# KiCad board main-board.kicad_pcb (continued)
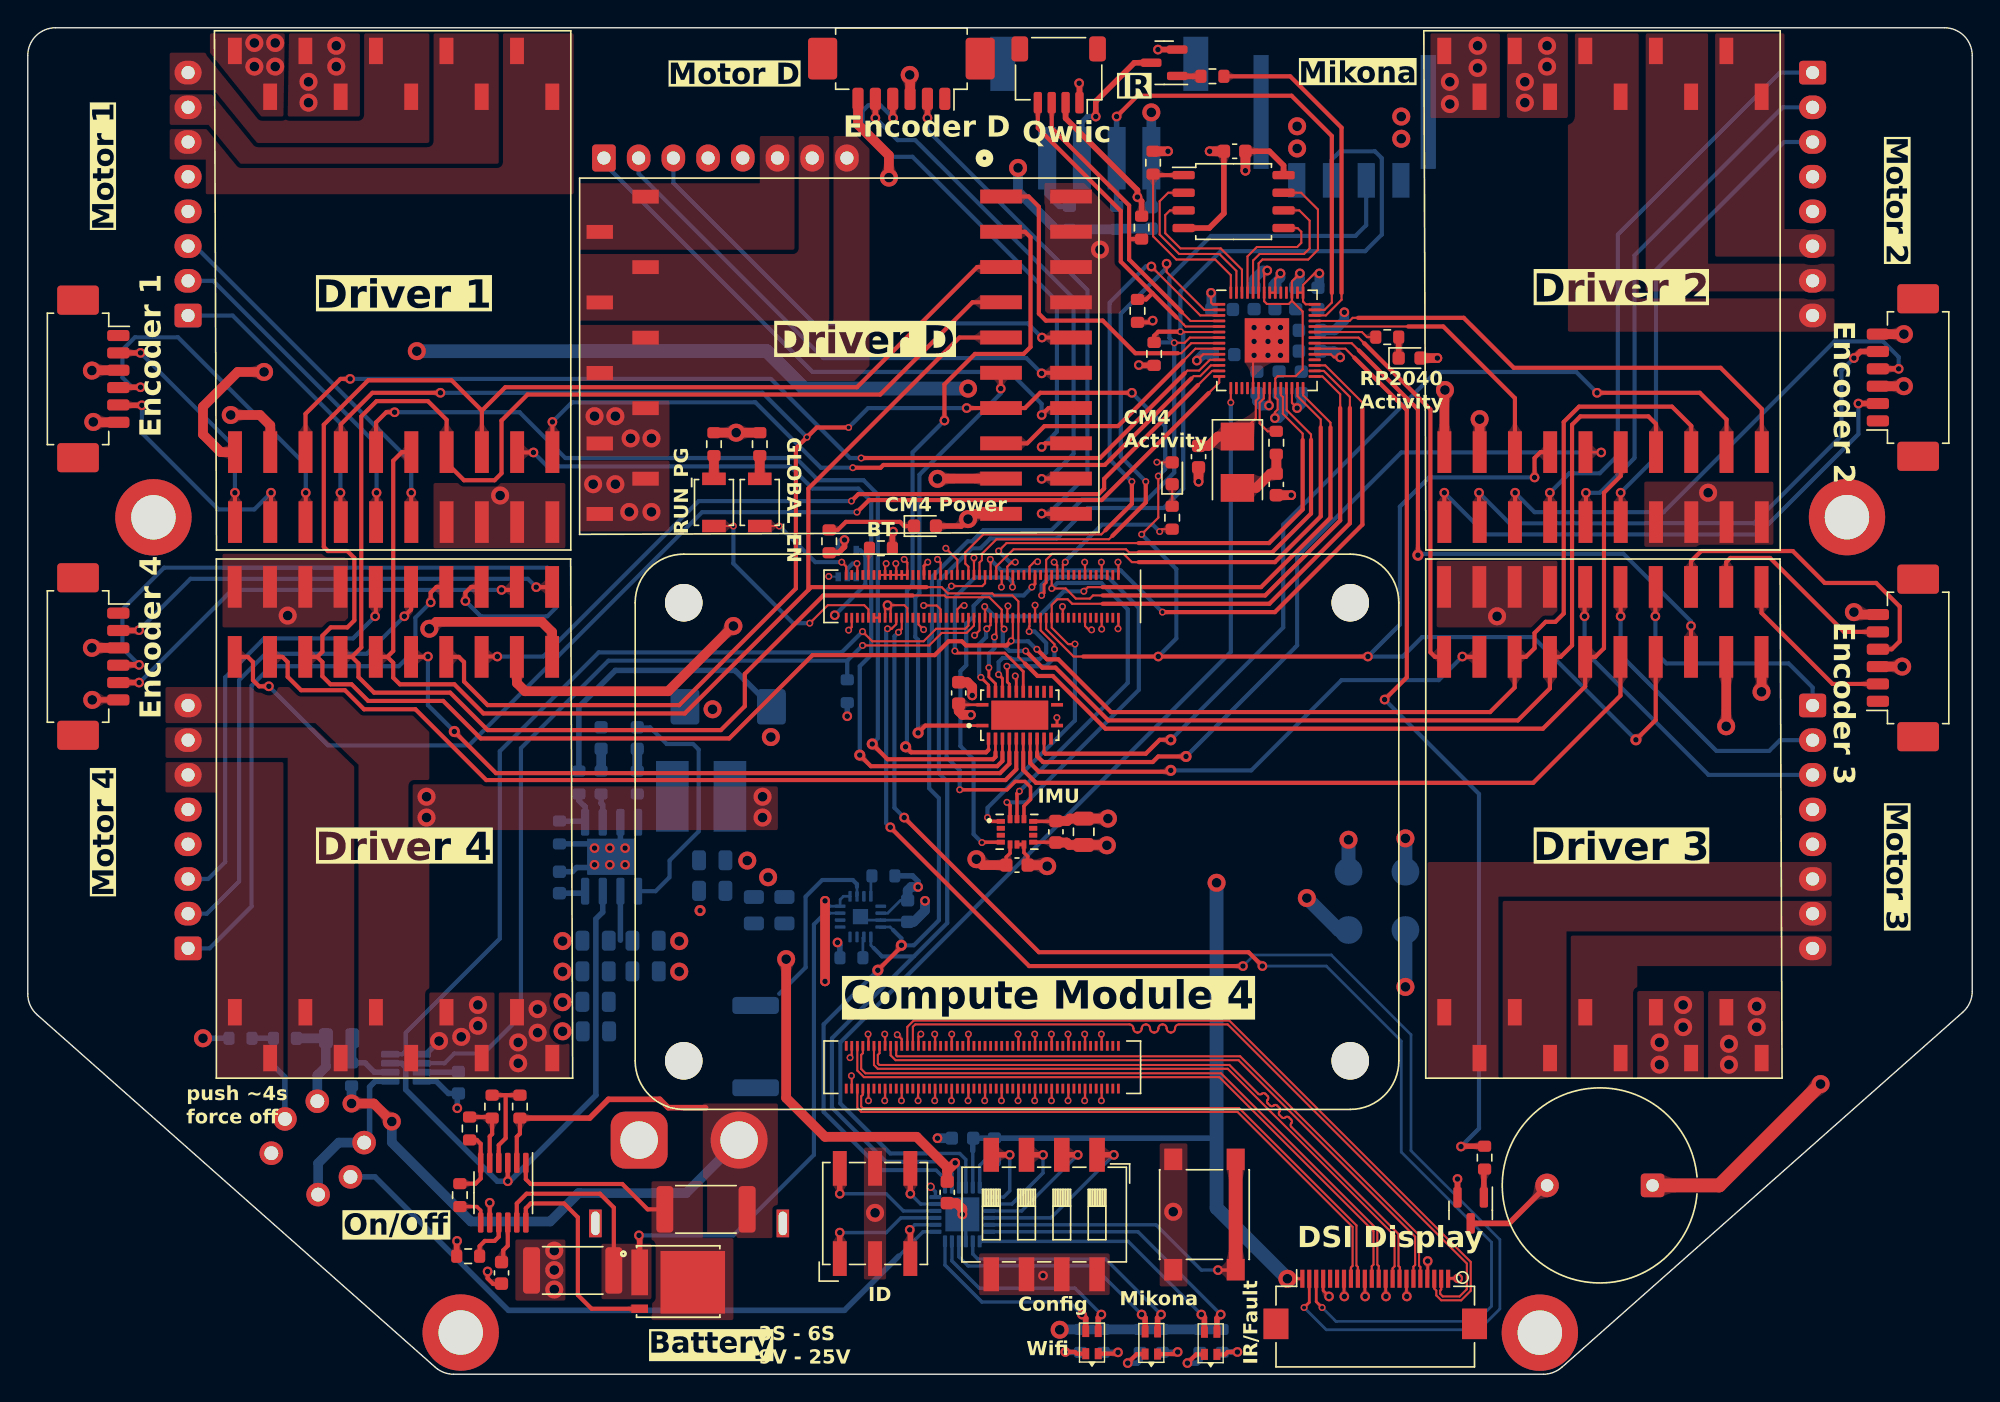
[diagram p0: board, top side]
## Routing (per net, layer and track width the routed paths; a pad name or vN(x,y) marks a point on that pad's centre or on a via; arc(x,y) is an arc through that point) (continued)
/Compute Module/SPI0_MUX_A3: length 8.9
  Top w0.15: v2(73.94,52.22) 73.94,52.59 72.94,53.59 Module201.30
  Top w0.2: U201.20 70.69,49.72 70.54,49.87 70.54,50.98 v2(70.52,51)
  Bottom w0.3: v2(73.94,52.22) 73.94,51.63 73.32,51 v2(70.52,51)
/Compute Module/~{Activity_LED}: length 10.1
  Top w0.15: Module201.21 74.54,58.33 v2(74.72,58.5) ; v2(81.52,60.7) 81.69,60.88 R206.2
  Bottom w0.3: v2(74.72,58.5) 74.72,58.56 77.36,61.2 81.02,61.2 v2(81.52,60.7)
/Compute Module/~{PWR_LED}: length 2.3
  Top w0.15: Module201.95 59.74,58.38 v2(59.72,58.4)
  Bottom w0.3: U202.2 59.02,58.02 59.41,58.4 v2(59.72,58.4)
/IMU_INT: length 25.2
  Top w0.2: v2(72.32,56.7) 72.54,56.93 Module201.31
  Top w0.25: v2(68.72,38.3) 68.74,38.33 U601.4
  Bottom w0.3: v2(68.72,38.3) 68.12,38.9 68.12,44.3 67.17,45.25 67.17,50.65 67.59,51.07 67.59,54.07 68.12,54.6 68.12,55.35 68.87,56.1 71.72,56.1 v2(72.32,56.7)
/IR_ADC: length 37.3
  Top w0.15: U501.41 93.39,76.68 93.92,77.2 93.92,77.9
  Top w0.3: v1(78.42,90.6) 79.92,92.1 91.02,92.1 93.92,89.2 93.92,77.9
  Bottom w0.4: R602.2 J602.3 v1(78.42,90.6)
/IR_PWM: length 24.8
  Top w0.15: 94.62,77.9 94.62,77.41 93.49,76.28 U501.40
  Top w0.3: R603.1 90.92,93.5 94.62,89.8 94.62,77.9
/LED_POWER_LOW: length 48.5
  Bottom w0.25: 62.72,8.5 64.48,10.26 U502.13
  Bottom w0.4: SW301.L1 25.01,14.22 34.62,4.6 58.82,4.6 62.72,8.5
/M1_C_S: length 74.9
  Top w0.15: U501.11 85.14,73.08 84.36,72.3 83.52,72.3 83.32,72.1
  Top w0.3: v2(60.02,66) 77.22,66 83.32,72.1 ; v1(23.22,71.7) 22.52,71.7 20,69.19 U1.5
  Bottom w0.3: v1(23.22,71.7) 53.52,71.7 59.22,66 v2(60.02,66)
/M1_D_F: length 55.8
  Top w0.15: U501.12 85.21,72.68 84.44,71.9 83.97,71.9 83.79,71.73
  Top w0.3: 83.79,71.73 77.57,65.5 61.62,65.5 61.42,65.3 v2(59.42,65.3) ; v1(37.78,68.6) U1.19
  Bottom w0.3: v1(37.78,68.6) 39.2,70.02 52.4,70.02 57.12,65.3 v2(59.42,65.3)
/M2_C_S: length 20.4
  Top w0.15: U501.38 99.42,75.48
  Top w0.3: 99.42,75.48 101.94,75.48 107.1,70.32 U2.5
/M2_D_F: length 38.1
  Top w0.15: 95.82,76.1 95.42,76.1 95.19,75.88 U501.39
  Top w0.3: U2.19 124.88,69.54 121.92,72.5 107.02,72.5 103.42,76.1 95.82,76.1
/M3_C_S: length 44.2
  Top w0.15: 95.87,73.75 95.34,74.28 U501.35
  Top w0.3: v4(100.12,59) 100.12,69.5 95.87,73.75 ; v1(119.78,53.9) U3.5
  Bottom w0.3: v1(119.78,53.9) 119.78,54.24 114.92,59.1 100.22,59.1 v4(100.12,59)
/M3_D_F: length 29.1
  Top w0.15: 96.27,74.25 95.84,74.68 U501.36
  Top w0.3: U3.19 101.34,51.68 101.02,52 101.02,69.5 96.27,74.25
/M4_C_S: length 62
  Top w0.15: U501.13 85.3,72.28 84.27,71.25
  Top w0.3: v1(33.82,51.7) 32.71,51.7 ; v2(59.32,62.9) 59.82,63.4 77.12,63.4 77.52,63.8 77.52,64.5 84.27,71.25
  Bottom w0.3: v2(59.32,62.9) 48.32,62.9 37.12,51.7 v1(33.82,51.7)
/M4_D_F: length 85.6
  Top w0.15: 85.04,70.68 85.81,71.44 U501.14
  Top w0.3: U4.19 15.84,51.68 16.22,51.3 16.22,50 16.66,49.56 v1(17.36,49.56) ; 85.04,70.68 77.34,62.98 60.59,62.98 v2(59.72,62.1)
  Bottom w0.3: v2(59.72,62.1) 48.57,62.1 31.77,45.3 21.62,45.3 v1(17.36,49.56)
/M_EN: length 206.3
  Top w0.15: v2(80.22,60.5) 81.42,61.7 v2(81.42,64.7) ; Module201.28 73.34,53.68 75.32,51.7 76.02,51.7
  Top w0.3: v1(108.52,64.6) 108.52,66 108.94,66.43 U2.7 ; v2(59.12,68.2) 56.82,68.2 v2(56.12,67.5) 55.32,66.7 55.32,56.6 46.92,48.2 33.12,48.2 31.42,49.9 31.42,51.3 31.04,51.68 U4.7 ; v1(29.72,70.7) 24.82,70.7 22.54,68.43 U1.7 ; v4(115.82,45.7) 117.24,47.13 U3.7 ; v1(67.62,69.6) 71.82,69.6 72.92,70.7 v1(79.52,70.7) ; 76.02,51.7 v1(96.52,51.7)
  Bottom w0.3: v2(59.12,68.2) 60.52,69.6 v1(67.62,69.6) ; v2(81.42,64.7) 81.92,65.2 81.92,68.3 v1(79.52,70.7) ; v1(81.42,51.7) 82.72,53 82.72,58 v2(80.22,60.5) ; v4(115.82,45.7) 108.42,53.1 100.42,53.1 99.02,51.7 v1(96.52,51.7) 98.82,54 98.82,62.5 100.92,64.6 v1(108.52,64.6) ; v2(56.12,67.5) 52.92,70.7 v1(29.72,70.7)
/M_SPI_MISO: length 210
  Top w0.15: v2(70.82,52.83) 70.94,52.95 Module201.40
  Top w0.3: v2(72.68,52.23) 73.4,51.5 74.22,51.5 78.02,47.7 105.32,47.7 107.08,49.47 U3.15 107.89,51.68 108.52,52.3 108.52,53.4 109.32,54.2 110.02,54.2 110.62,54.8 110.62,68.6 111.72,69.7 118.42,69.7 119.8,68.32 U2.15 ; U5.15 68.38,79.76 59.72,71.1 34.39,71.1 32.7,69.42 ; v2(70.82,52.83) 70.5,52.5 67.57,52.5 67.27,52.8 66.32,52.8 65.32,51.8 56.52,51.8 50.52,45.8 32.62,45.8 29.92,48.5 24.52,48.5 23.32,49.7 21.8,49.7 21.22,50.28 21.22,51.3 20.84,51.68 ; 32.7,69.42 30.52,71.6 24.52,71.6 21.32,68.4 21.32,59.6 21.62,59.3 23.02,59.3 23.52,58.8 23.52,54.3 23.02,53.8 21.82,53.8 21.22,53.2 21.22,52.05 20.84,51.68 ; 32.7,69.42 U1.15 ; 20.84,51.68 U4.15
  Bottom w0.3: v2(70.82,52.83) 70.84,52.8 72.05,52.8 72.63,52.23 v2(72.68,52.23)
/M_SPI_MOSI: length 205.2
  Top w0.15: 63.72,56.1 66.03,56.1 66.15,55.98 69.25,55.98 70.14,55.08 Module201.44 70.14,53.85 v2(70.32,53.68)
  Top w0.3: v2(71.87,52.1) 73.07,50.9 74.02,50.9 77.82,47.1 107.32,47.1 109.62,49.41 U3.13 110.39,51.68 111.22,52.5 111.22,68.4 111.82,69 116.72,69 117.26,68.46 U2.13 ; U5.13 68.04,77.22 61.39,70.58 35.99,70.58 34.12,68.7 34.12,64.9 33.62,64.4 31.42,64.4 30.16,65.66 ; 23.34,51.68 23.82,51.2 23.82,50.22 24.94,49.1 30.42,49.1 33.12,46.4 49.92,46.4 51.64,48.13 51.64,50.45 57.3,56.1 63.72,56.1 ; 23.34,51.68 24.02,52.35 24.02,69 25.12,70.1 28.82,70.1 30.16,68.76 U1.13 ; 23.34,51.68 U4.13
  Bottom w0.3: v2(71.87,52.1) 70.7,52.1 70.22,52.58 70.22,53.58 v2(70.32,53.68)
/M_SPI_SCK: length 160.9
  Top w0.15: 71.82,51.2 71.34,51.68 Module201.38 71.34,55.68 70.92,56.1 69.61,56.1 69.46,56.25 66.27,56.25 65.82,56.7 64.72,56.7
  Top w0.3: 25.89,51.68 26.32,51.25 26.32,50.18 26.8,49.7 30.72,49.7 32.82,47.6 47.32,47.6 56.22,56.5 ; 25.89,51.68 26.32,52.1 26.32,65.8 26.94,66.43 U1.11 ; 25.89,51.68 U4.11 ; 56.22,56.5 56.22,63.8 67.1,74.68 U5.11 ; 56.22,56.5 56.42,56.7 64.72,56.7 ; U2.11 114.72,64.71 113.52,63.5 113.52,52.3 112.89,51.68 U3.11 112.16,49.55 109.12,46.5 77.62,46.5 73.82,50.3 72.72,50.3 71.82,51.2
/MD_C_S: length 18.5
  Top w0.15: 83.22,73 84.09,73.88 U501.9
  Top w0.3: 83.22,73 78.52,68.3 73.22,68.3 71.98,67.06 U5.5
/MD_D_F: length 25.2
  Top w0.15: 82.82,73.55 83.07,73.55 83.79,74.28 U501.8
  Top w0.3: 82.82,73.55 79.77,73.55 77.42,75.9 73.32,75.9 72.82,76.4 72.82,84.1 72.08,84.84 U5.19
/Micro/BUTTON: length 27
  Top w0.25: v1(85.72,7.5) 86.97,7.5
  Top w1: SW503.1 SW503.1
  Bottom w0.25: v1(85.72,7.5) 84.52,7.5 81.26,10.76 U502.5
/Micro/BUZZER: length 67.2
  Top w0.15: U501.34 94.89,73.88 95.54,73.23
  Top w0.3: v1(97.72,48.6) 99.32,50.2 99.32,69.45 95.54,73.23
  Top w0.4: v1(103.22,16.4) 103.24,16.43 R501.1
  Bottom w0.3: v1(103.22,16.4) 104.52,17.7 104.52,41.8 v1(97.72,48.6)
/Micro/DIP_0: length 12.2
  Top w0.4: v1(78.22,15.8) 78.21,15.81 76.91,15.81
  Bottom w0.25: U502.4 73.68,11.26 v1(78.22,15.8)
/Micro/DIP_1: length 9.3
  Top w0.4: v1(75.62,15.8) 75.61,15.81 74.38,15.81
  Bottom w0.25: v1(75.62,15.8) 71.58,11.76 U502.3
/Micro/DIP_2: length 7.3
  Top w0.4: v1(73.12,15.8) 73.11,15.81 SW502.3
  Bottom w0.25: v1(73.12,15.8) 73.12,14.5 70.88,12.26 U502.2
/Micro/DIP_3: length 5.6
  Top w0.4: v1(70.72,15.8) 69.4,15.8
  Bottom w0.25: U502.1 70.28,12.76 70.72,13.2 v1(70.72,15.8)
/Micro/ID_BIT_0: length 9.2
  Top w0.4: v1(58.48,10.2) SW501.1
  Bottom w0.25: U502.15 62.88,11.26 61.82,10.2 v1(58.48,10.2)
/Micro/ID_BIT_1: length 3.9
  Top w0.4: v1(63.56,13) SW501.2
  Bottom w0.25: v1(63.56,13) 64.3,12.26 U502.17
/Micro/ID_BIT_2: length 4.1
  Top w0.4: v1(63.52,10.4) 63.56,10.36 SW501.4
  Bottom w0.25: v1(63.52,10.4) 63.88,10.76 U502.14
/Micro/ID_BIT_3: length 9.2
  Top w0.4: v1(58.48,13) SW501.8
  Bottom w0.25: v1(58.48,13) 61.82,13 63.06,11.76 U502.16
/Micro/LED_FAULT: length 20.5
  Top w0.4: D403.2 85.64,4.03 v1(85.92,4.3)
  Bottom w0.25: v1(85.92,4.3) 79.96,10.26 U502.6
/Micro/LED_IR: length 19.5
  Top w0.4: v1(84.52,4.3) 84.74,4.08 84.74,3.03
  Bottom w0.25: U502.7 79.25,9.58 v1(84.52,4.3)
/Micro/LED_MIKONA_CHARGING: length 17.6
  Top w0.4: v1(81.62,4.3) 81.37,4.05 D402.2
  Bottom w0.25: U502.8 68.06,8.66 68.42,8.3 77.62,8.3 v1(81.62,4.3)
/Micro/LED_MIKONA_FULL: length 17.3
  Top w0.4: v1(80.22,4.3) 80.47,4.05 D402.3
  Bottom w0.25: U502.10 67.06,8.46 67.72,7.8 76.72,7.8 v1(80.22,4.3)
/Micro/LED_WIFI_ACTIVITY: length 15.1
  Top w0.4: D401.2 77.09,4.08 v1(77.32,4.3)
  Bottom w0.25: v1(77.32,4.3) 75.42,6.2 68.52,6.2 66.56,8.16 U502.11
/Micro/LED_WIFI_CONNECTED: length 14.4
  Top w0.4: v1(75.92,4.3) 76.19,4.03 D401.3
  Bottom w0.25: U502.12 66.06,7.86 68.72,5.2 75.02,5.2 v1(75.92,4.3)
/Micro/QSPI_SCLK: length 10.9
  Top w0.15: U503.6 91.58,83.84 92.32,83.1 92.32,81.1 91.92,80.7 88.72,80.7 88.24,80.23 U501.52
/Micro/QSPI_SD0: length 9.1
  Top w0.15: U501.53 87.84,80.53 88.52,81.2 91.42,81.2 91.72,81.5 91.72,82.3 91.45,82.57 U503.5
/Micro/QSPI_SD1: length 12.6
  Top w0.15: U501.55 87.04,79.48 85.82,80.7 82.92,80.7 81.52,82.1 81.52,84.5 82.13,85.11 U503.2
/Micro/QSPI_SD2: length 11
  Top w0.15: U503.3 82.26,83.84 81.92,83.5 81.92,82.2 83.02,81.1 85.92,81.1 87.44,79.58 U501.54
/Micro/QSPI_SD3: length 12.7
  Top w0.15: U501.51 88.64,80.03 88.92,80.3 92.22,80.3 92.92,81 92.92,83.9 91.71,85.11 U503.7
/Micro/QSPI_SS: length 14.6
  Top w0.15: R504.2 81.04,81.98 82.72,80.3 85.52,80.3 86.64,79.18 U501.56
  Top w0.3: 81.11,86.38 U503.1
/Micro/~{IO_INT}: length 75.9
  Top w0.15: v2(86.64,70) U501.15
  Bottom w0.25: U502.22 67.56,15.46 67.12,15.9 64.72,15.9
  Bottom w0.3: v2(86.64,70) 86.64,52.03 58.52,23.9 58.52,19.5 62.12,15.9 64.72,15.9
/MICRO_I2C0_SCL: length 115.1
  Top w0.15: v2(82.57,74.3) 83.32,74.3 83.69,74.68 U501.7
  Top w0.3: v4(61.22,29.1) 62.92,30.8 v4(62.92,30.9)
  Bottom w0.2: 62.32,32 62.11,32.22 U302.4
  Bottom w0.25: U502.19 66.06,14.06 65.42,14.7 64.72,14.7
  Bottom w0.3: R508.2 82.54,74.33 v2(82.57,74.3) ; J102.2 96.39,82.78 95.62,82 85.22,82 82.22,79 82.22,74.65 v2(82.57,74.3) ; v2(82.57,74.3) 82.57,64.95 80.62,63 75.92,63 73.72,60.8 68.82,60.8 68.02,60 67.69,60 65.12,57.43 65.12,53.1 64.92,52.9 64.92,42.2 65.62,41.5 65.62,32.7 63.82,30.9 v4(62.92,30.9) 62.92,31.4 62.32,32 ; v4(61.22,29.1) 57.32,25.2 57.32,18.9 61.52,14.7 64.72,14.7
/MICRO_I2C0_SDA: length 124.5
  Top w0.15: U501.6 83.04,75.08 v2(83.02,75.1)
  Top w0.3: v2(83.02,75.1) 81.42,75.1 81.12,74.8 R507.2
  Bottom w0.2: U302.5 60.72,30.9 60.92,30.7
  Bottom w0.25: U502.20 66.56,14.46 65.72,15.3 64.72,15.3
  Bottom w0.3: 64.72,15.3 61.82,15.3 57.92,19.2 57.92,24.2 66.22,32.5 66.22,42.7 65.62,43.3 65.62,57.14 67.98,59.5 68.62,59.5 69.32,60.2 74.12,60.2 76.32,62.4 81.82,62.4 83.22,63.8 83.22,74.9 v2(83.02,75.1) 83.02,78 85.92,80.9 96.32,80.9 97.52,82.1 97.52,87.6 97.02,88.1 94.52,88.1 93.89,87.48 J102.3 ; 63.82,30.1 61.52,30.1 60.92,30.7
/MICRO_I2C1_SCL: length 24.2
  Top w0.15: U501.5 83.39,75.48 83.24,75.63 83.24,75.64 82.74,76.13
  Top w0.3: 80.99,77.88 78.72,80.15 78.72,83.8 72.74,89.78 J601.4 ; 80.99,77.88 82.74,76.13 ; 80.99,77.88 80.54,77.43 R506.2
/MICRO_I2C1_SDA: length 22.8
  Top w0.15: 83.12,76.5 83.74,75.88 U501.4
  Top w0.3: 80.22,81.78 79.34,81.78 79.32,81.8 ; 79.32,81.8 79.32,84.2 73.74,89.78 J601.3 ; 79.32,81.8 79.32,80.3 83.12,76.5
/Motors/M1_ENC_A: length 16.6
  Top w0.3: v1(14.92,63.5) 14.92,61.39
  Top w0.4: v1(8.12,73.58) J705.2
  Bottom w0.3: v1(14.92,63.5) 14.92,66.78 v1(8.12,73.58)
/Motors/M1_ENC_B: length 17.8
  Top w0.3: v1(17.52,63.5) 17.52,61.44
  Top w0.4: v1(8.22,69.8) 6.54,69.8
  Bottom w0.3: v1(17.52,63.5) 16.32,62.3 13.72,62.3 8.22,67.8 v1(8.22,69.8)
/Motors/M1_ENC_C: length 26.6
  Top w0.3: v1(20.02,63.5) 20.02,61.4
  Top w0.4: v1(8.12,71.1) 6.54,71.1
  Bottom w0.3: v1(8.12,71.1) 7.52,71.1 6.82,71.8 6.82,73.8 7.72,74.7 10.82,74.7 20.02,65.5 v1(20.02,63.5)
/Motors/M1_HALL_UX: length 21.3
  Top w0.3: v1(22.52,63.5) 22.52,61.41
  Bottom w0.3: J707.1 14.75,76.27 22.52,68.5 v1(22.52,63.5)
/Motors/M1_HALL_V: length 24
  Top w0.3: v1(25.12,63.5) 25.12,61.42
  Bottom w0.3: v1(25.12,63.5) 25.12,67 13.35,78.77 J707.2
/Motors/M1_HALL_WY: length 26.3
  Top w0.3: v1(27.62,63.5) 27.62,61.39
  Bottom w0.3: v1(27.62,63.5) 27.62,65.7 12.05,81.27
/Motors/M2_ENC_A: length 39.8
  Top w0.3: v1(102.02,63.5) 102.02,61.39
  Top w0.4: v1(131.84,69.93) J706.2
  Bottom w0.3: v1(131.84,69.93) 131.84,67.73 124.62,60.5 105.02,60.5 v1(102.02,63.5)
/Motors/M2_ENC_B: length 39.6
  Top w0.3: v1(104.52,63.5) 104.52,61.43
  Top w0.4: v1(131.52,73.2) 131.99,73.68 J706.5
  Bottom w0.3: v1(104.52,63.5) 106.72,61.3 124.32,61.3 130.62,67.6 130.62,72.3 v1(131.52,73.2)
/Motors/M2_ENC_C: length 38.2
  Top w0.3: v1(107.12,63.5) 107.12,61.4
  Top w0.4: v1(134.74,72.43) J706.4
  Bottom w0.3: v1(134.74,72.43) 134.74,73.28 133.62,74.4 130.12,74.4 117.82,62.1 108.52,62.1 v1(107.12,63.5)
/Motors/M2_HALL_UX: length 42.9
  Top w0.3: v1(109.62,63.5) 109.62,61.41
  Bottom w0.3: v1(109.62,63.5) 111.02,64.9 113.22,64.9 114.52,66.2 114.52,82.1 126.18,93.77 J708.1
/Motors/M2_HALL_V: length 38.5
  Top w0.3: v1(112.22,63.5) 112.22,61.42
  Bottom w0.3: v1(112.22,63.5) 113.21,63.5 115.72,66 115.72,80.6 126.38,91.27 J708.2
/Motors/M2_HALL_WY: length 34.3
  Top w0.3: v1(114.72,63.5) 114.72,61.39
  Bottom w0.3: J708.3 126.48,88.77 117.26,79.55 117.26,66.05 v1(114.72,63.5)
/Motors/M3_ENC_A: length 12.4
  Top w0.3: U3.2 124.86,54.85 129.98,49.73 J711.2
/Motors/M3_ENC_B: length 15
  Top w0.3: U3.4 122.32,58.51 122.62,58.8 125.48,58.8 130.8,53.48 J711.5
/Motors/M3_ENC_C: length 23.2
  Top w0.3: U3.6 119.78,58.57 120.52,59.3 127.12,59.3 129.42,57 133.12,57 134.82,55.3 134.82,52.8 134.24,52.23 J711.4
/Motors/M3_HALL_UX: length 18.4
  Top w0.3: v1(117.22,54.6) 117.22,56.69
  Bottom w0.3: J713.1 128.54,49.48 126.82,51.2 118.02,51.2 117.22,52 v1(117.22,54.6)
/Motors/M3_HALL_V: length 21.9
  Top w0.3: v1(114.72,54.6) 114.72,56.7
  Bottom w0.3: v1(114.72,54.6) 114.72,51.8 121.62,44.9 125.42,44.9 126.19,45.68 J713.2
/Motors/M3_HALL_WY: length 24.7
  Top w0.3: v1(112.12,54.6) 112.12,56.67
  Bottom w0.3: v1(112.12,54.6) 112.12,52.1 121.04,43.18 J713.3
/Motors/M4_ENC_A: length 33
  Top w0.3: v1(36.62,56.7) 37.75,56.7
  Top w0.4: J712.2 7.99,53.58 v1(8.02,53.6)
  Bottom w0.3: v1(36.62,56.7) 36.02,57.3 11.72,57.3 v1(8.02,53.6)
/Motors/M4_ENC_B: length 31.3
  Top w0.3: v1(34.12,56.5) 35.01,56.5
  Top w0.4: v1(8.02,49.83) J712.5
  Bottom w0.3: v1(8.02,49.83) 8.04,49.83 14.72,56.5 v1(34.12,56.5)
/Motors/M4_ENC_C: length 50.1
  Top w0.3: U4.6 31.93,56.72 31.52,56.3 v1(31.52,55.7)
  Top w0.4: v1(8.02,51.1) 6.54,51.1
  Bottom w0.3: v1(8.02,51.1) 6.82,52.3 6.82,55.1 9.82,58.1 37.42,58.1 38.02,57.5 38.02,55.2 37.42,54.6 32.62,54.6 v1(31.52,55.7)
/Motors/M4_HALL_UX: length 40.5
  Top w0.3: U4.8 29.43,56.72 29.02,56.3 v1(29.02,55.6)
  Bottom w0.3: J714.1 13.09,30.68 16.12,33.7 16.12,49.6 17.52,51 26.72,51 27.92,52.2 27.92,54.5 v1(29.02,55.6)
/Motors/M4_HALL_V: length 35.3
  Top w0.3: U4.10 27.6,55.09 v1(27.12,54.6)
  Bottom w0.3: v1(27.12,54.6) 24.42,51.9 17.12,51.9 15.22,50 15.22,35.5 12.89,33.18 J714.2
/Motors/M4_HALL_WY: length 31.2
  Top w0.3: v1(25.02,54.6) 25.06,54.65 U4.12
  Bottom w0.3: v1(25.02,54.6) 23.42,53 17.02,53 14.22,50.2 14.22,36.9 12.99,35.68 J714.3
/Motors/MD_ENC_A: length 38.4
  Top w0.3: U5.2 73.04,61.98 v1(73.02,62)
  Top w0.4: v1(64.79,90.5) J717.2
  Bottom w0.3: v1(73.02,62) 73.52,62 76.32,64.8 76.32,78.1 64.79,89.63 v1(64.79,90.5)
/Motors/MD_ENC_B: length 37.4
  Top w0.3: v1(73.02,64.5) 73.04,64.52 U5.4
  Top w0.4: v1(61.04,90.5) J717.5
  Bottom w0.3: v1(61.04,90.5) 62.64,88.9 63.92,88.9 75.32,77.5 75.32,66.3 73.52,64.5 v1(73.02,64.5)
/Motors/MD_ENC_C: length 37.1
  Top w0.3: v1(73.02,66.8) 73.28,67.06 74.53,67.06
  Top w0.4: J717.4 62.29,90.53 v1(62.32,90.5)
  Bottom w0.3: v1(73.02,66.8) 74.12,67.9 74.12,77.3 63.72,87.7 62.12,87.7 60.12,89.7 60.12,91 60.52,91.4 61.42,91.4 v1(62.32,90.5)
/Motors/MD_HALL_UX: length 41.8
  Top w0.3: U5.8 73.52,69.6 v1(73.02,69.1)
  Bottom w0.3: v1(73.02,69.1) 73.02,69.9 70.72,72.2 56.52,72.2 41.49,87.23
/Motors/MD_HALL_V: length 38.2
  Top w0.3: v1(73.02,72.1) 73.06,72.14 U5.10
  Bottom w0.3: v1(73.02,72.1) 71.92,73.2 57.29,73.2 43.99,86.5 J718.2
/Motors/MD_HALL_WY: length 35
  Top w0.3: v1(73.04,74.68) U5.12
  Bottom w0.3: J718.3 46.49,85.83 56.62,75.7 72.02,75.7 v1(73.04,74.68)
/Power/PWR_EN: length 38.1
  Top w0.3: v1(34.57,13.9) U303.3
  Bottom w0.4: U304.3 41.41,33.29 40.92,32.8 40.92,20.1 34.72,13.9 v1(34.57,13.9) 33.82,13.9 27.22,20.5 27.22,22.1 26.92,22.4 U301.7
/Power/SENSE_5v-: length 16.5
  Bottom w0.2: 59.72,34.43 59.72,35.1
  Bottom w0.3: 54.12,27.4 56.02,29.3 56.02,34.4 57.22,35.6 59.42,35.6 59.72,35.3 59.72,35.1
  Bottom w0.4: U304.2 42.68,31.27
/Power/SENSE_24v+: length 50.1
  Top w0.3: R302.2 42.21,12 41.21,13 35.92,13 35.22,12.3 U303.11
  Top w0.4: Q301.1 44.07,9.95 v1(44.02,10)
  Bottom w0.2: U302.11 57.72,33.22
  Bottom w0.3: v1(44.02,10) 50.82,10 56.62,15.8 56.62,32.4 57.43,33.22 57.72,33.22
/SWCLK: length 35.4
  Top w0.15: Module201.41 70.54,58.18 70.87,58.5 v2(71.12,58.5) ; v2(69.92,59.3) 70.49,59.88 80.02,59.88 ; U501.24 90.24,70.54 90.39,70.4 90.39,69.19 91.82,67.76 91.82,67.3
  Top w0.3: 91.82,67.3 91.82,62.3 89.39,59.88 80.02,59.88
  Bottom w0.3: v2(71.12,58.5) 70.72,58.5 v2(69.92,59.3)
/SWDIO: length 34.8
  Top w0.15: 80.02,59.2 79.32,59.2 79.09,59.43 70.99,59.43 69.74,58.18 Module201.45 ; 90.67,71.02 90.67,69.45 92.42,67.7 92.42,67.3
  Top w0.3: 80.02,59.2 89.62,59.2 92.42,62 92.42,67.3
/~{CM_SHUT_DOWN}: length 64.2
  Top w0.15: v2(60.12,53.5) 60.82,52.8 64.52,52.8 65.42,53.7 67.52,53.7 67.74,53.93 Module201.56
  Bottom w0.3: v2(60.12,53.5) 58.62,52 41.12,52 33.99,44.88 33.99,31.38 27.22,24.6 27.22,23.3 26.97,23.05 U301.8
/~{CM_SPI1_CS_IMU}: length 26.3
  Top w0.15: Module201.49 68.94,56.98 68.74,56.78 v2(66.52,56.78)
  Top w0.25: U601.12 71.74,40.93 72.22,41.4 72.22,42.3 71.82,42.7 71.12,42.7 70.52,42.1 v2(67.12,42.1)
  Bottom w0.3: v2(66.52,56.78) 66.17,56.43 66.17,44.45 67.12,43.5 v2(67.12,42.1)
/~{CM_SPI1_CS_MICRO}: length 39.1
  Top w0.15: Module201.50 68.94,55.28 v2(68.92,55.3) ; 93.82,68.2 93.82,68.55 91.84,70.53 U501.28 ; v2(76.06,56.4) 76.36,56.7 77.42,56.7
  Top w0.3: 77.42,56.7 88.82,56.7 93.82,61.7 93.82,68.2
  Bottom w0.3: v2(76.06,56.4) 74.62,56.4 72.82,54.6 69.62,54.6 v2(68.92,55.3)
/~{M1_SPI_CS_C}: length 69.9
  Top w0.2: 69.69,44.8 U201.3
  Top w0.3: U1.9 25.08,68.57 25.82,69.3 v1(26.42,69.3) ; v4(60.82,45.4) 61.92,44.3 69.52,44.3 69.69,44.48 69.69,44.8
  Bottom w0.3: v4(60.82,45.4) 61.22,45.8 61.22,63.38 60.19,64.4 56.92,64.4 55.32,66 38.72,66 35.42,69.3 v1(26.42,69.3)
/~{M1_SPI_CS_D}: length 57.9
  Top w0.2: 70.19,44.8 U201.4
  Top w0.3: v4(59.92,44.6) 60.72,43.8 69.82,43.8 70.19,44.18 70.19,44.8 ; v1(36.42,66.4) 35.27,66.4
  Bottom w0.3: v4(59.92,44.6) 59.92,51 60.75,51.83 60.75,62.88 59.82,63.8 56.52,63.8 54.92,65.4 37.42,65.4 v1(36.42,66.4)
/~{M2_SPI_CS_C}: length 56.2
  Top w0.15: U2.9 113.29,66.43 v1(113.32,66.4)
  Top w0.2: 72.69,44.8 U201.9
  Top w0.3: v4(83.42,44.5) 81.42,44.5 81.02,44.1 73.12,44.1 72.69,44.53 72.69,44.8
  Bottom w0.3: v4(83.42,44.5) 91.42,52.5 91.42,58.9 98.92,66.4 v1(113.32,66.4)
/~{M2_SPI_CS_D}: length 69.7
  Top w0.2: 73.19,44.8 U201.10
  Top w0.3: 73.19,44.8 73.29,44.7 80.52,44.7 81.52,45.7 v4(82.32,45.7) ; v1(113.02,70.7) 120.42,70.7 122.34,68.78 U2.17
  Bottom w0.3: v1(113.02,70.7) 111.52,72.2 101.42,72.2 90.42,61.2 90.42,53.8 v4(82.32,45.7)
/~{M3_SPI_CS_C}: length 51.1
  Top w0.2: 71.69,44.8 U201.7
  Top w0.3: 71.69,44.8 71.69,43.53 72.62,42.6 108.42,42.6 114.7,48.89 U3.9
/~{M3_SPI_CS_D}: length 37.8
  Top w0.2: 72.19,44.8 U201.8
  Top w0.3: v4(82.32,43.5) 82.22,43.4 72.82,43.4 72.19,44.03 72.19,44.8 ; v1(103.32,51.7) 103.34,51.68 U3.17
  Bottom w0.3: v1(103.32,51.7) 101.62,50 94.62,50 88.12,43.5 v4(82.32,43.5)
/~{M4_SPI_CS_C}: length 50.7
  Top w0.2: 70.69,44.8 U201.5
  Top w0.3: 70.69,44.8 70.69,43.98 70.02,43.3 33.72,43.3 v4(30.72,46.3) ; v1(28.82,51.7) 28.79,51.68 U4.9
  Bottom w0.3: v4(30.72,46.3) 28.82,48.2 v1(28.82,51.7)
/~{M4_SPI_CS_D}: length 60.6
  Top w0.2: U201.6 71.19,44.8
  Top w0.3: 71.19,44.8 71.19,43.58 70.42,42.8 33.02,42.8 27.92,47.9 24.22,47.9 22.85,49.28 19.69,49.28 18.72,50.24 18.72,51.3 18.34,51.68 U4.17
/~{MD_SPI_CS_C}: length 33.4
  Top w0.2: 67.62,46.73 U201.1
  Top w0.3: v1(70.07,71) 70.07,72.12 ; v4(64.12,46.2) 64.64,46.73 67.62,46.73
  Bottom w0.3: v4(64.12,46.2) 64.12,52.9 63.92,53.1 63.92,55.97 64.22,56.27 64.22,64.8 70.07,70.66 v1(70.07,71)
/~{MD_SPI_CS_D}: length 51.8
  Top w0.2: 69.19,44.98 U201.2
  Top w0.3: 69.19,44.98 69.02,44.8 63.62,44.8 v4(63.22,45.2) ; v1(66.02,68.7) 66.02,71.3 68.22,73.5 71.72,73.5 72.22,74 72.22,81.9 71.82,82.3 U5.17
  Bottom w0.3: v1(66.02,68.7) 63.72,66.4 63.72,56.87 63.32,56.47 63.32,45.3 v4(63.22,45.2)
/~{POWER_OFF}: length 66.1
  Top w0.15: v2(60.12,52.5) 64.92,52.5 65.82,53.4 67.62,53.4 68.14,53.93 Module201.54
  Bottom w0.3: 59.02,51.4 41.82,51.4 35.52,45.1 35.52,25.8 32.82,23.1 30.72,23.1 30.02,22.4 U301.2 ; 59.02,51.4 v2(60.12,52.5) ; 59.02,51.4 R316.1
Net-(BZ501-+): length 6.6
  Top w0.4: BZ501.2 106.68,10.87 Q501.3
Net-(C309-Pad1): length 1.6
  Bottom w0.7: R310.2 C309.1
Net-(C318-Pad1): length 1.6
  Bottom w0.7: R313.2 C318.1
Net-(C513-Pad1): length 4.6
  Top w0.7: Y501.2 88.47,63.85 89.49,64.88 C513.1 89.92,66.28
Net-(D201-K): length 6.5
  Top w0.3: D201.1 63.12,61.1 62.82,61.4 58.92,61.4 58.34,60.83 R205.1
Net-(D202-K): length 1.6
  Top w0.15: R206.1 D202.1
Net-(D401-K1): length 2.5
  Top w0.3: D401.1 78.42,1.48 v1(78.52,1.58)
  Bottom w0.4: v1(78.52,1.58) R403.2
Net-(D401-K2): length 2.6
  Top w0.3: v1(74.72,1.6) 75.42,1.6 75.54,1.48 D401.4
  Bottom w0.4: v1(74.72,1.6) 74.74,1.58 R402.2
Net-(D402-K1): length 2.6
  Top w0.3: v1(82.82,1.6) 82.67,1.45 D402.1
  Bottom w0.4: R405.2 82.79,1.58 v1(82.82,1.6)
Net-(D402-K2): length 3.1
  Top w0.3: D402.4 79.87,1.45 v1(79.22,0.8)
  Bottom w0.4: R404.2 80.12,1 79.92,0.8 v1(79.22,0.8)
Net-(D403-K1): length 2.6
  Top w0.3: D403.1 86.24,1.43 86.42,1.6 v1(87.12,1.6)
  Bottom w0.4: v1(87.12,1.6) 86.04,1.6
Net-(D403-K2): length 3
  Top w0.3: v1(83.52,0.8) 84.14,1.43 84.74,1.43
  Bottom w0.4: v1(83.52,0.8) 84.22,0.8 84.42,1 R406.2
Net-(D501-K): length 1.5
  Top w0.4: R503.2 98.73,73.21
Net-(J602-Pin_1): length 4.6
  Bottom w0.4: J602.1 73.42,85 74.29,84.13 R601.2
Net-(J602-Pin_2): length 10
  Top w0.4: v1(76.92,90.6) 76.92,91.7 79.69,94.48 Q601.3
  Bottom w0.4: J602.2 75.92,90.2 76.32,90.6 v1(76.92,90.6)
Net-(Module201A-BT_nDisable): length 1.8
  Top w0.15: Module201.91 60.54,59.43
Net-(Q501-G): length 2
  Top w0.4: Q501.1 104.87,14.73
Net-(Q601-G): length 1.7
  Top w0.4: R603.2 82.81,93.5
Net-(R204-Pad2): length 1.7
  Top w0.7: SW201.1 R204.2
Net-(R205-Pad2): length 2.9
  Top w0.4: R205.2 58.39,59.18 58.82,59.6 v1(58.82,60.1)
  Bottom w0.3: v1(58.82,60.1) 58.52,60.1 58.37,59.95 U202.4
Net-(R207-Pad2): length 1.7
  Top w0.7: SW202.1 R207.2
Net-(R317-Pad1): length 7.7
  Bottom w0.4: R318.1 R317.1 17.69,22.23 18.52,21.4 SW301.L2
Net-(U301-TMR): length 2.6
  Bottom w0.4: U301.3 30.99,21.75
Net-(U301-VIN): length 4.8
  Bottom w0.4: U301.6 24.97,21.75 24.29,22.43 R303.2
  Bottom w0.7: R303.2 23.32,24.15
Net-(U301-~{PB}): length 11.5
  Bottom w0.4: U301.5 25.02,21.1 24.62,20.7 24.62,17.08
  Bottom w0.7: SW301.3 22.4,16.69 20.91,15.19 SW301.4
Net-(U302-ADDRSEL): length 1.5
  Bottom w0.2: U302.6 60.14,31.43 R308.2
Net-(U302-~{PWRDN}): length 1.4
  Bottom w0.2: 60.72,34.43 60.72,35.83
Net-(U303-GATE): length 15.8
  Top w0.3: U303.12 35.87,11.95 36.22,12.3 38.62,12.3 39.62,11.3 39.62,5.7 40.6,4.72 Q301.4
Net-(U303-GNDSW): length 2.5
  Top w0.25: R309.2 32.34,12.08 32.62,11.8 U303.7
Net-(U303-OV): length 5.1
  Top w0.3: R309.1 32.24,13.73 32.62,14.1 U303.6 32.62,16.6 32.34,16.88 R307.2
Net-(U303-SENSE): length 12.1
  Top w0.3: R301.1 44.64,11.88 42.82,13.7 36.22,13.7 35.87,14.05 U303.1
Net-(U303-STATUS): length 3.4
  Top w0.3: R315.2 32.54,9.23 32.92,9.6 33.62,9.6 33.92,9.9 U303.9
Net-(U303-TIMER): length 3
  Top w0.3: 34.24,8.05 34.24,8.93 34.57,9.25 U303.10
Net-(U303-UVH): length 4.8
  Top w0.3: U303.5 33.27,17.13 33.44,17.3 R306.2 ; R307.1 33.37,18.53
Net-(U303-UVL): length 7.1
  Top w0.3: U303.4 33.92,16.5 34.42,17 34.42,20.1 ; 34.42,20.1 R304.2 ; 34.42,20.1 R306.1
Net-(U304-BST): length 17.8
  Bottom w0.3: U304.1 45.21,34.8 46.22,35.8 46.22,37 48.32,39.1 48.32,45 47.92,45.4 46.02,45.4 44.82,46.6 C309.2
Net-(U304-COMP): length 2.1
  Bottom w0.4: U304.6 41.41,41.01 41.29,41.13 R313.1
Net-(U304-FB): length 4
  Bottom w0.4: 40.04,39.85 R314.1 ; R312.2 39.69,41.33 40.14,40.88 U304.5
Net-(U304-SS): length 1.9
  Bottom w0.4: C317.1 39.99,34.65 U304.4
Net-(U501-GPIO25): length 4.6
  Top w0.15: U501.37 96.09,75.08 96.45,74.71 R503.1
Net-(U501-XIN): length 7.2
  Top w0.15: Y501.1 88.44,68.88 88.44,70.13 88.64,70.33 U501.20
  Top w0.7: C512.1 85.04,66.88 85.72,67.55 Y501.1
Net-(U501-XOUT): length 4.1
  Top w0.15: R502.1 89.29,67.93 88.72,68.5 88.72,68.76 88.72,68.76 88.72,70 89.02,70.3 89.02,71
Net-(U502-~{RESET}): length 2.8
  Bottom w0.25: R401.2 68.89,15.38 68.56,15.04 U502.24

## Copper pours and planes (outline as drawn; the poured copper is in the pictures)
+3.3V on In1.Cu: 96.52,75 105.02,75 105.02,70 96.52,70 96.52,54 125.92,54 125.92,48 96.52,48 96.52,34.5 57.02,34.5 57.02,55.5 67.02,55.5 67.02,78.5 79.52,78.5 79.52,88.5 96.52,88.5
+3.3V on In1.Cu: 30.02,75 30.02,50 16.02,50 16.02,75
+5V on Top: 54.02,39.2 54.02,42.5 27.72,42.5 27.72,39.2
+5V on Bottom: 55.62,33.4 49.32,33.4 49.32,38.7 48.62,38.7 48.62,44.7 50.92,44.7 50.92,50.4 55.62,50.4
+5V on In1.Cu: 0.02,97 140.52,97 140.52,0.5 0.02,0.5
+24V on Top: 33.92,21.3 33.92,27.5 39.02,27.5 39.02,21.3
+24V on Top: 35.12,9.7 38.72,9.7 38.72,5.3 35.12,5.3
+24V on Top: 121.02,27.6 126.22,27.6 126.22,21.3 121.02,21.3
+24V on Top: 106.02,90.5 106.02,96.8 101.02,96.8 101.02,90.5
+24V on Top: 39.72,65.82 46.22,65.82 46.22,60.72 39.72,60.72
+24V on Top: 16.82,90.6 13.12,95.2 13.12,96.8 18.82,96.8 18.72,90.6
+24V on Bottom: 97.92,84.5 97.92,91.5 99.92,91.5 99.92,84.5
+24V on In1.Cu: 127.52,28.7 127.52,0.2 30.02,0.2 30.02,85.2 14.32,85.2 14.32,97.2 109.52,97.2 109.52,88.5 46.52,88.5 46.52,28.7
GND on Top: 14.02,53.8 14.02,59.1 23.32,59.1 23.32,53.8
GND on Top: 60.22,16.33 61.82,16.33 61.82,6.83 60.22,6.83
GND on Top: 39.72,70.82 39.72,65.82 46.22,65.82 46.22,70.82
GND on Top: 78.72,76.42 78.72,85.82 73.22,85.82 73.22,76.42
GND on Top: 81.52,16.63 83.52,16.63 83.52,6.33 81.52,6.33
GND on Top: 110.42,53.8 110.42,58.6 101.22,58.6 101.22,53.8
GND on Top: 23.92,90.6 23.92,96.8 18.82,96.8 18.72,90.6
GND on Top: 29.22,64.2 38.72,64.2 38.72,59.5 29.22,59.5
GND on Top: 115.92,27.6 121.02,27.6 121.02,21.3 115.92,21.3
GND on Top: 68.52,8.7 77.92,8.7 77.92,5.7 68.52,5.7
GND on Top: 116.42,59.6 125.72,59.6 125.72,64.3 116.42,64.3
GND on Top: 110.92,96.8 110.92,90.5 106.02,90.5 106.02,96.8
GND on Top: 28.92,21.3 28.92,27.5 33.92,27.5 33.92,21.3
GND on Bottom: 90.42,84.5 90.42,90.7 92.42,90.7 92.42,84.5
GND on Bottom: 40.92,32.3 37.62,32.3 37.62,23.5 40.92,23.5
GND on Bottom: 50.32,50.4 40.52,50.4 40.52,45.9 50.32,45.9
GND on Bottom: 55.62,33.4 49.32,33.4 49.32,38.2 47.32,38.2 47.32,32.3 47.82,32.3 47.82,31.5 55.62,31.5
GND on Bottom: 92.42,71.5 86.22,71.5 86.22,77.5 93.82,77.5 93.82,76 92.32,76
GND on Bottom: 44.52,32.3 44.52,27.8 47.82,27.8 47.82,32.3
GND on In1.Cu: 57.02,25.8 57.02,18.6 87.02,18.6 91.22,14.1 91.22,4.9 104.22,5 104.22,9.5 87.62,25.8
GND on In2.Cu: 140.04,26.68 140.04,97 0,97 0,26.5 29.91,0 109.91,0
+BATT on Top: 48.62,19.5 48.62,9.8 54.02,9.8 54.02,19.5
+BATT on Bottom: 48.72,14 55.12,14 55.12,22.1 48.72,22.1
/Motors/M1_U on Top: 10.22,92.5 10.22,95.2 13.12,95.2 16.82,90.6 23.92,90.6 23.92,96.8 28.92,96.8 28.92,88.7 16.52,88.7 13.42,92.5
/Motors/M1_V on Top: 10.22,90 13.02,90 15.32,87.2 33.92,87.2 33.92,96.8 28.92,96.8 28.92,88.7 16.52,88.7 13.42,92.5 10.22,92.5
/Motors/M1_W on Top: 10.22,87.5 12.82,87.5 12.82,85 39.32,85 39.32,96.8 33.92,96.8 33.92,87.2 15.32,87.2 13.02,90 10.22,90
/Motors/M2_U on Top: 116.02,96.8 110.92,96.8 110.92,75.1 130.12,75.1 130.12,77.5 116.02,77.5
/Motors/M2_V on Top: 121.02,96.8 116.02,96.8 116.02,77.5 130.12,77.5 130.12,80 121.02,80
/Motors/M2_W on Top: 130.12,82.5 126.52,82.5 126.52,96.8 121.02,96.8 121.02,80 130.12,80
/Motors/M3_U on Top: 129.92,31.9 129.92,29.4 115.92,29.4 115.92,21.3 110.82,21.3 110.82,31.9
/Motors/M3_V on Top: 129.92,31.9 129.92,34.4 105.92,34.4 105.92,21.3 110.82,21.3 110.82,31.9
/Motors/M3_W on Top: 129.92,34.4 129.92,36.9 100.82,36.9 100.82,21.3 105.92,21.3 105.92,34.4
/Motors/M4_U on Top: 28.92,21.3 28.92,49.5 9.92,49.5 9.92,46.9 20.72,46.9 23.82,43.9 23.82,21.3
/Motors/M4_V on Top: 23.82,21.3 23.82,43.9 20.72,46.9 9.92,46.9 9.92,44.4 18.72,44.4 18.72,21.3
/Motors/M4_W on Top: 13.62,21.3 13.62,41.9 9.92,41.9 9.92,44.4 18.72,44.4 18.72,21.3
/Motors/MD_U on Top: 39.72,70.8 60.62,70.8 60.62,89.2 57.72,89.2 57.72,75.9 39.72,75.9
/Motors/MD_V on Top: 39.72,75.9 57.72,75.9 57.72,89.2 55.22,89.2 55.22,81 39.72,81
/Motors/MD_W on Top: 55.22,89.2 55.22,81 39.72,81 39.72,85.8 52.72,85.8 52.72,89.2
/Power/SENSE_5v- on Bottom: 44.52,27.8 54.52,27.8 54.52,24 40.92,24 40.92,32.3 44.52,32.3
/Power/SENSE_24v+ on Top: 41.32,9.4 44.92,9.4 44.92,5.4 41.32,5.4
Net-(U303-SENSE) on Top: 44.92,13.9 48.62,13.9 48.62,9.8 50.82,9.8 50.82,3.9 44.92,3.9
Net-(U304-SW) on Bottom: 48.02,38.8 43.32,38.8 43.32,42.5 44.82,42.5 44.82,44.7 48.02,44.7

Small or netless copper shapes (teardrops, artwork), in the pictures only: 786 on Top, 366 on Bottom

## Text on the board
B.Silkscreen: GND | 3.3V | 24V | 5V | Ali Salehi / v.2023.0.2
F.Silkscreen: push ~4s / force off | 3S - 6S / 9V - 25V | BT | ID | CM4 Power | Config | Wifi | IMU | Mikona | CM4 / Activity | RP2040 / Activity | RUN_PG | IR/Fault | GLOBAL_EN | Encoder D | Qwiic | DSI Display | Encoder 1 | Encoder 4 | Encoder 2 | Encoder 3 | On/Off | Battery | Motor D | IR | Motor 1 | Motor 4 | Motor 2 | Motor 3 | Driver D | Driver 2 | Driver 1 | Driver 4 | Compute Module 4 | Driver 3
